# Altium PCB PCB1.PcbDoc (part 5 of 5) (continued)
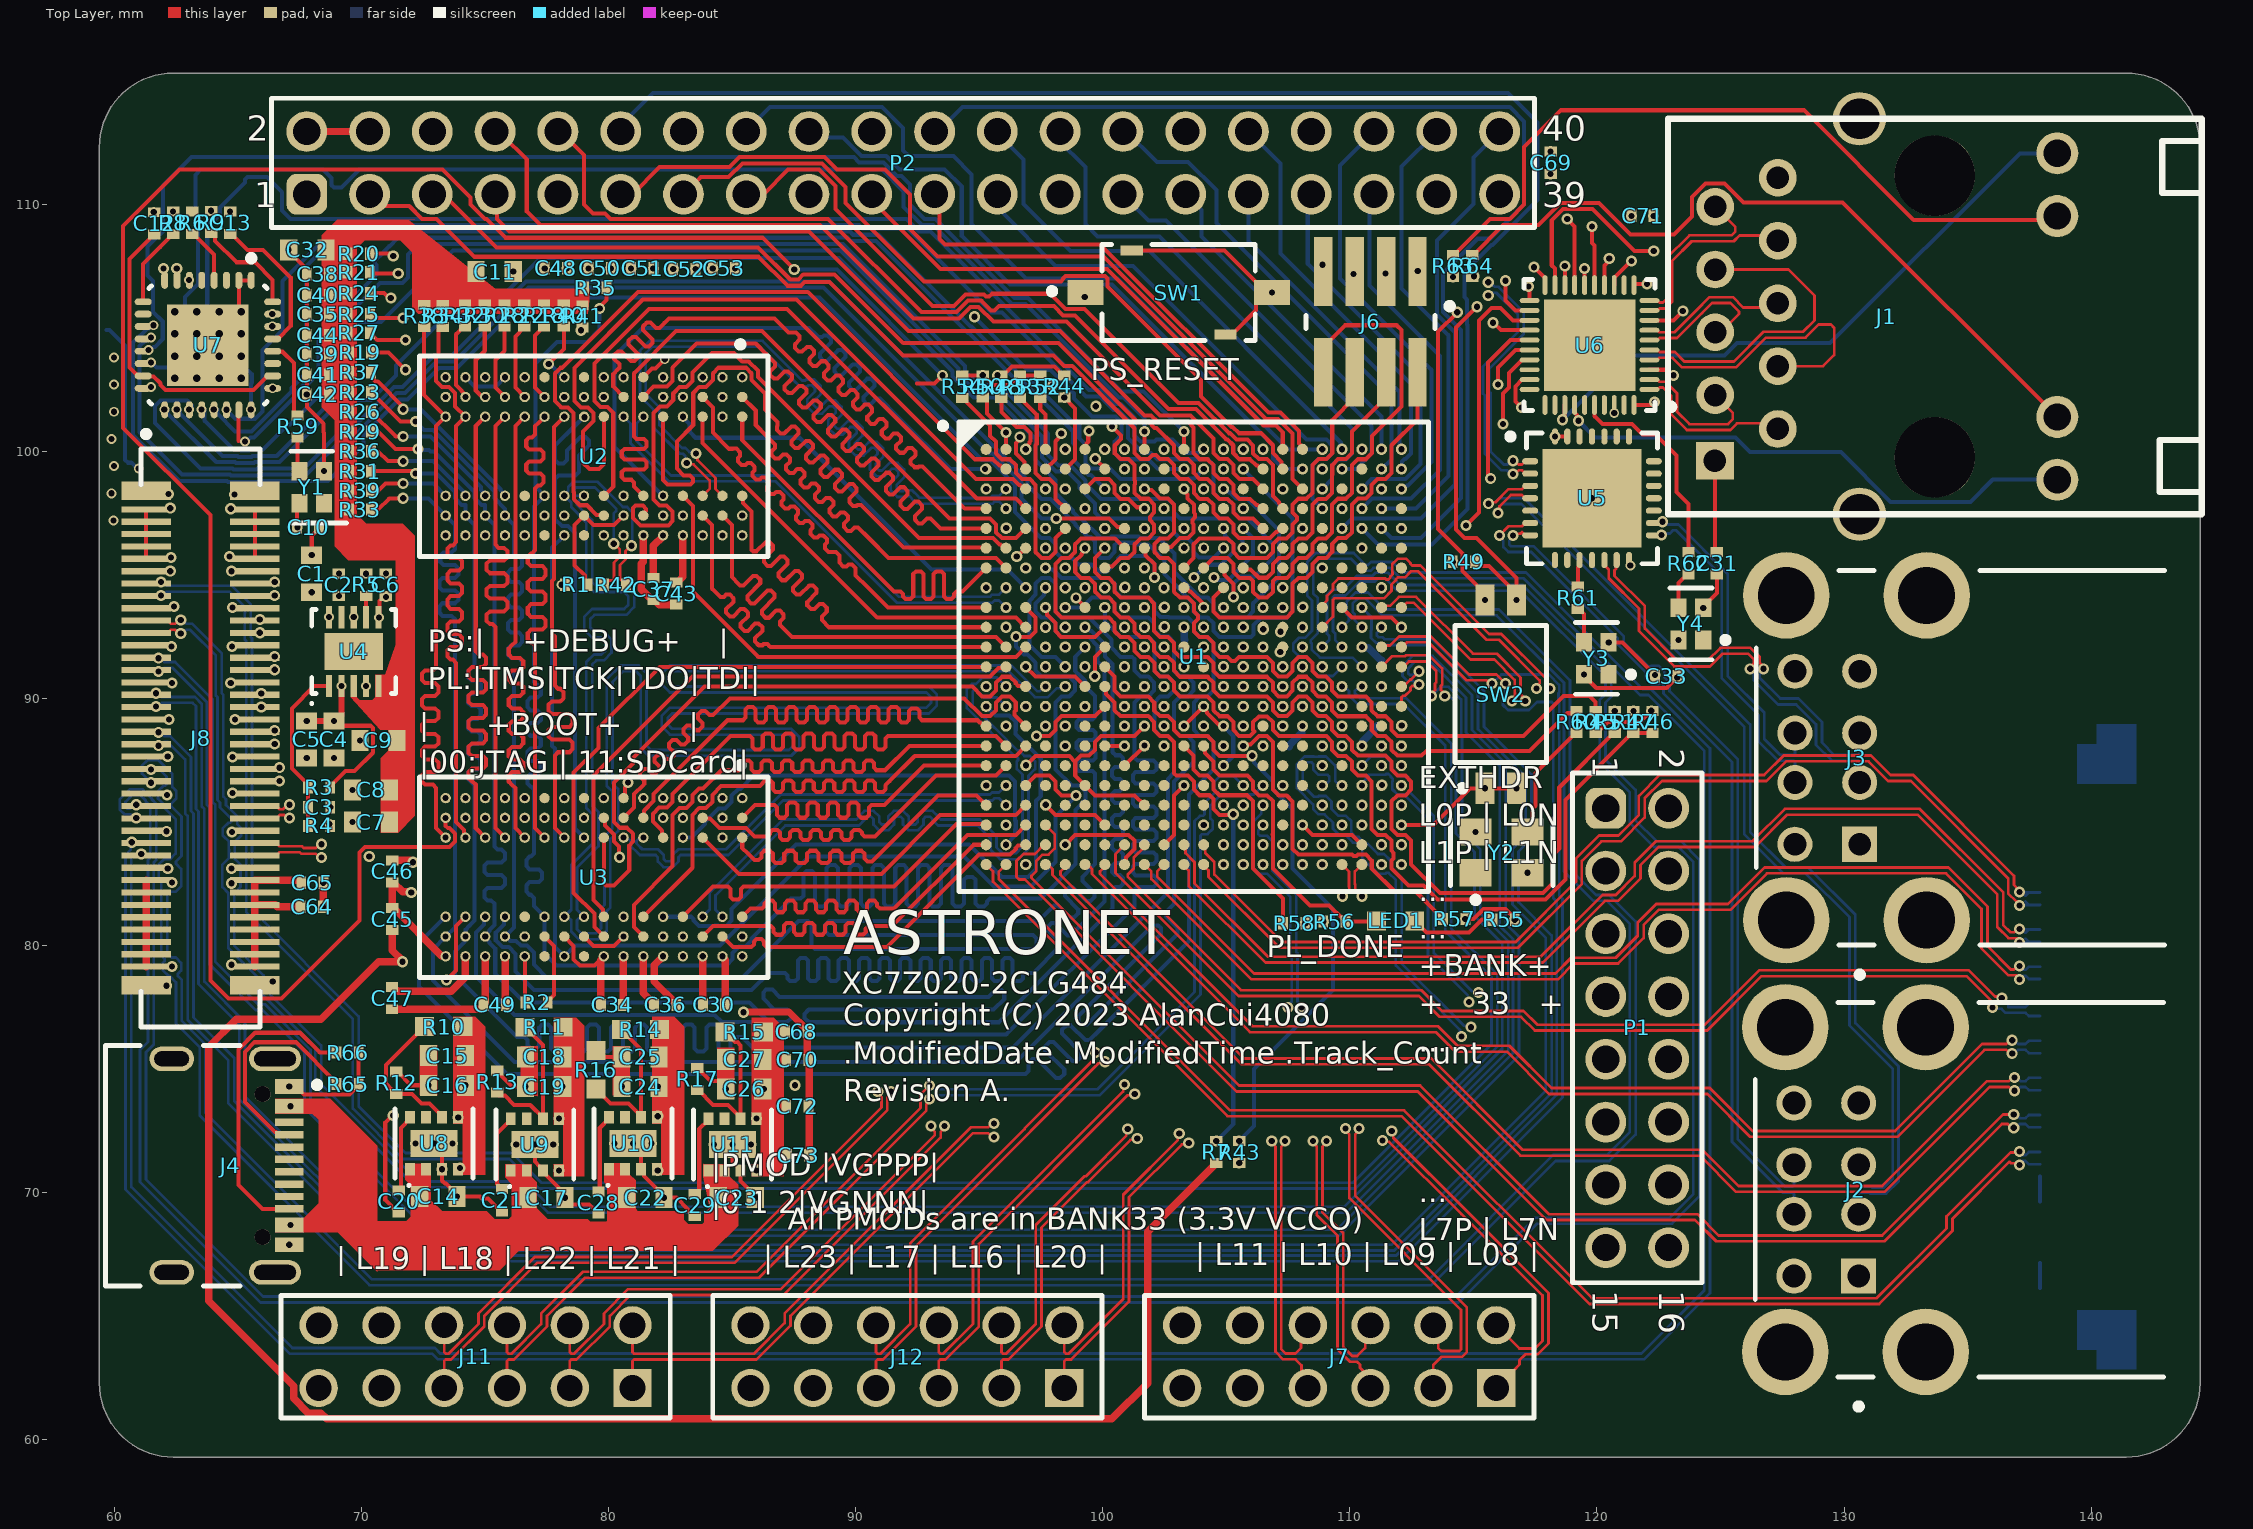
[diagram p0: Top Layer view]
## Nets (pads, with @x,y where several pads share a name; then routed paths per layer and width w, separated by ;. In a path a pad name is that pad's centre, name@x,y a point inside that pad or via, vN(x,y) a via of type N, cw(c..) or ccw(c..) an arc to the next point about the centre after c; other vN are vias at no path point) (continued)
USB_D0: U1.A12 U7.24 | length 55.7
  Bottom Layer w0.164: v2@65.535,101.695 65.535,102.738 65.572,102.775 65.572,103.125 65.269,103.428 64.975,103.428 64.728,103.675 64.728,103.969 64.369,104.328 64.075,104.328 63.828,104.575 63.828,104.869 63.661,105.036 63.661,105.364 63.772,105.475 63.772,109.266 63.868,109.362 64.073,109.362 64.291,109.58 64.291,109.873 65.3,110.883 65.3,111.003 65.396,111.099 66.187,111.099 66.803,110.483 66.803,109.745 67.145,109.403 88.533,109.403 ; 88.534,109.404 90.246,109.404 90.25,109.4 92.072,109.4 92.577,108.895 93.031,108.895 99.451,102.476 99.995,102.476 100.549,101.921 100.733,101.921 101.28,101.375 101.28,100.647 101.524,100.403 102.101,100.403 102.176,100.478 102.819,100.478 103.366,99.932 103.861,99.932 104.011,100.081 v1(104.088,100.081)
  other v2: 65.535,101.689
USB_D1: U1.C7 U7.23 | length 45.8
  Top Layer w0.164: 65.028,100.428 65.028,101.658 U7.23@65.05,101.68 ; v2(65.3,100.4) v2@65.328,100.428
  Bottom Layer w0.164: v2(65.3,100.4) 65.364,100.4 65.519,100.556 65.669,100.556 67.428,102.314 67.428,102.454 67.646,102.672 67.786,102.672 68.275,103.161 68.275,104.825 70.613,107.163 70.613,107.538 70.568,107.583 70.568,107.718 70.903,108.053 70.903,108.064 71.136,108.297 71.147,108.297 71.492,108.642 88.848,108.642 ; 88.849,108.642 89.669,108.642 89.803,108.508 90.833,108.508 94.549,104.792 94.594,104.792 96.594,102.792 96.819,102.792 98.799,100.812 98.799,100.331 98.885,100.246 98.885,99.595 99.43,99.049 99.52,99.049 v1(100.088,98.481)
USB_D2: U1.G13 U7.22 | length 59.5
  Top Layer w0.164: U1.G13@104.888,95.281 104.938,95.232 104.938,94.993 105.291,94.639 105.291,94.109 v1(105.3,94.1)
  Bottom Layer w0.164: v2(64.55,101.68) 64.913,101.317 65.713,101.317 66,101.604 66,104.1 66.81,104.91 66.81,106.881 69.078,109.149 88.638,109.149 ; 88.639,109.15 90.141,109.15 90.275,109.016 92.097,109.016 95.502,105.611 95.934,105.611 99.323,102.222 99.889,102.222 100.444,101.667 100.628,101.667 101.026,101.27 101.026,100.542 101.636,99.932 101.958,99.932 102.211,99.678 103.966,99.678 103.973,99.684 104.246,99.684 104.488,99.443 104.488,98.32 104.73,98.078 105.052,98.078 105.291,97.839 105.291,97.517 105.53,97.278 105.852,97.278 106.885,96.246 106.885,95.689 106.121,94.925 105.57,94.925 105.291,94.646 105.291,94.109 v1(105.3,94.1)
USB_D3: U1.B12 U7.21 | length 51.6
  Bottom Layer w0.164: v2(64.035,101.689) 64.178,101.689 64.178,101.526 64.895,100.809 65.564,100.809 67.174,102.419 67.174,102.559 67.775,103.16 67.775,107.475 69.195,108.895 88.743,108.895 ; 88.744,108.896 89.774,108.896 89.908,108.762 90.938,108.762 94.654,105.046 94.699,105.046 96.699,103.046 96.924,103.046 98.748,101.222 98.957,101.222 99.053,101.126 99.053,100.535 99.303,100.285 99.303,99.536 99.536,99.303 100.305,99.303 100.724,98.884 103.452,98.884 103.468,98.9 103.707,98.9 v1(104.088,99.281)
USB_D4: U1.F14 U7.20 | length 54.5
  Bottom Layer w0.164: v2@63.663,101.689 63.663,101.237 64.831,100.069 65.105,100.069 65.146,100.028 65.454,100.028 65.495,100.069 66.026,100.069 67.044,101.087 67.113,101.087 68.85,102.824 68.85,104.897 70.757,106.803 71.664,106.803 71.897,107.036 71.897,107.972 72.313,108.388 88.954,108.388 ; 88.954,108.388 89.491,108.388 94.43,103.45 94.43,103.234 94.986,102.678 95.314,102.678 95.826,102.678 97.793,100.712 97.793,99.856 98.218,99.43 98.69,99.43 99.311,98.81 99.311,98.697 99.93,98.078 102.652,98.078 102.891,97.839 102.891,97.517 103.13,97.278 105.052,97.278 105.291,97.039 105.291,96.717 105.524,96.484 105.561,96.484 105.657,96.388 105.657,96.112 v1(105.688,96.081)
  other v2: 63.535,101.689
USB_D5: U1.B14 U7.19 | length 67.5
  Bottom Layer w0.164: v2@63.163,101.689 63.163,101.861 62.963,102.061 61.881,102.061 61.663,101.843 61.663,101.137 63.492,99.308 64.789,99.308 64.831,99.267 65.769,99.267 65.811,99.308 67.685,99.308 69.334,100.956 69.677,100.956 71.325,102.605 71.666,102.605 72.941,103.88 73.675,103.88 76.673,106.878 88.935,106.878 96.968,98.846 96.968,98.64 97.53,98.078 97.883,98.078 98.903,97.058 98.903,97.027 99.406,96.525 99.524,96.525 99.691,96.358 99.691,95.917 99.923,95.685 100.252,95.685 100.484,95.917 100.484,96.204 100.58,96.3 101.349,96.3 101.418,96.23 101.858,96.23 102.5,95.588 102.5,95.031 103.685,93.846 103.685,93.523 103.93,93.278 104.252,93.278 104.485,93.046 104.485,92.723 104.724,92.484 105.852,92.484 105.856,92.488 106.005,92.488 106.103,92.585 106.103,92.964 106.404,93.266 107.44,93.266 107.685,93.51 107.685,97.284 v1(105.688,99.281)
  other v2: 63.035,101.689
USB_D6: U1.F13 U7.18 | length 54.8
  Bottom Layer w0.164: v2(62.535,101.689) 62.535,101.663 62.663,101.535 ; v2@62.663,101.689 62.663,101.535 ; 89.059,108.134 73.715,108.134 70.807,105.225 69.8,105.225 69.361,104.786 69.361,102.593 66.584,99.815 65.6,99.815 65.559,99.774 65.041,99.774 65,99.815 64.382,99.815 62.663,101.535 ; 89.059,108.135 89.386,108.135 94.176,103.345 94.176,103.129 94.881,102.424 95.48,102.424 95.721,102.424 97.539,100.607 97.539,99.751 98.113,99.177 98.585,99.177 99.057,98.705 99.057,98.51 99.685,97.882 99.685,97.523 99.924,97.284 102.765,97.284 102.891,97.158 102.891,96.717 103.136,96.472 103.454,96.472 103.672,96.254 103.672,95.936 103.908,95.7 104.507,95.7 v1(104.888,96.081)
USB_D7: U1.C13 U7.17 | length 63
  Bottom Layer w0.164: v2@62.163,101.689 62.163,101.535 64.136,99.562 64.894,99.562 64.936,99.52 65.664,99.52 65.706,99.562 66.689,99.562 69.2,102.072 70.405,102.072 71.403,103.07 71.403,103.464 73.383,105.445 74.881,105.445 77.258,107.822 89.339,107.822 93.922,103.239 93.922,103.024 94.775,102.17 95.616,102.17 97.285,100.501 97.285,99.646 98.091,98.84 98.091,98.317 98.803,97.605 98.803,97.536 99.054,97.284 99.124,97.284 99.924,96.484 100.289,96.484 100.358,96.554 101.454,96.554 101.524,96.484 102.275,96.484 102.9,95.859 102.9,95.108 103.93,94.078 104.252,94.078 104.485,93.846 104.485,93.523 104.724,93.284 105.852,93.284 106.091,93.523 106.091,93.852 107.139,94.9 107.139,96.792 105.846,98.084 105.405,98.084 105.158,98.332 105.115,98.332 104.965,98.481 v1(104.888,98.481)
  other v2: 62.035,101.689
USB_DIR: U1.E8 U7.12 | length 52.3
  Top Layer w0.164: v1(98.122,97.278) 100.252,97.278 100.595,96.936 100.833,96.936 U1.E8@100.888,96.881
  Bottom Layer w0.164: v2(61.5,104.6) 61.436,104.6 61.308,104.472 61.246,104.472 61.028,104.254 61.028,100.772 62.746,99.054 64.684,99.054 64.725,99.013 65.875,99.013 65.916,99.054 67.791,99.054 69.439,100.702 69.782,100.702 71.43,102.351 71.771,102.351 73.046,103.626 73.78,103.626 76.779,106.624 88.701,106.624 95.42,99.905 95.549,99.905 96.714,98.74 96.714,98.086 97.522,97.278 v1(98.122,97.278)
USB_EXT_D0_N: J2.2 U5.3 | length 40.6
  Top Layer w0.11: v1(115.618,97.882) 115.677,97.94 115.891,97.94 116.419,98.468 116.966,98.468 117.097,98.6 U5.3@117.3,98.6
  Bottom Layer w0.11: v1(115.618,97.882) 115.677,97.94 115.891,97.94 116.056,98.105 117.037,98.105 126.2,88.943 126.2,84.6 127.638,83.162 128.543,83.162 130.455,81.249 130.455,76.865 132.2,75.12 132.2,70.465 131.704,69.969 131.05,69.969 131.007,70.012 130.654,70.012 130.59,69.947 J2.2@130.59,69.13
USB_EXT_D0_P: J2.3 U5.4 | length 39.4
  Top Layer w0.11: v1(116,97.5) 116.059,97.559 116.059,97.773 116.517,98.232 116.966,98.232 117.097,98.1 U5.4@117.3,98.1
  Bottom Layer w0.11: v1(116,97.5) 116.059,97.559 116.059,97.773 116.154,97.869 116.939,97.869 125.963,88.845 125.963,84.502 127.54,82.925 128.445,82.925 130.218,81.151 130.218,76.767 131.963,75.022 131.963,70.563 131.605,70.205 131.148,70.205 131.105,70.248 130.654,70.248 130.59,70.313 J2.3@130.59,71.13
USB_EXT_D1_N: J2.2' U5.6 | length 34.9
  Top Layer w0.11: v1(116.06,96.6) 116.428,96.968 116.966,96.968 117.097,97.1 U5.6@117.3,97.1
  Bottom Layer w0.11: v1(116.06,96.6) 116.06,96.517 116.212,96.366 116.212,96.131 116.415,95.928 117.341,95.928 120.845,92.424 120.845,92.188 121.98,91.053 121.98,90.797 122.197,90.58 122.503,90.58 122.54,90.616 122.63,90.616 122.695,90.552 122.695,90.199 125.463,87.43 125.463,72.065 127.517,70.012 127.906,70.012 127.97,69.947 J2.2'@127.97,69.13
USB_EXT_D1_P: J2.3' U5.7 | length 33.9
  Top Layer w0.11: v1(116.6,96.598) 116.664,96.663 v1@116.664,96.732 ; v1@116.665,96.664 116.898,96.664 116.966,96.732 117.097,96.6 U5.7@117.3,96.6
  Bottom Layer w0.11: v1(116.6,96.598) 116.6,96.516 116.448,96.364 116.448,96.229 116.513,96.164 117.439,96.164 121.082,92.522 121.082,92.286 122.077,91.291 122.168,91.291 122.197,91.32 122.503,91.32 122.72,91.103 122.72,90.862 122.931,90.65 122.931,90.297 125.7,87.528 125.7,72.163 127.615,70.248 127.906,70.248 127.97,70.313 J2.3'@127.97,71.13
USB_EXT_D2_N: J3.2 U5.12 | length 16.9
  Top Layer w0.11: U5.12@120.3,95.6 120.3,95.397 120.477,95.22 120.477,94.865 121.7,93.642 121.7,92.726 123.131,91.295 124.573,91.295 125.091,91.813 126.108,91.813 126.352,91.57 126.352,91.434 126.2,91.283 v1(126.2,91.2)
  Bottom Layer w0.11: v1(126.2,91.2) 126.2,91.117 126.352,90.966 126.352,90.731 127.324,89.759 128.06,89.759 128.865,88.954 128.865,88.119 129.502,87.482 130.233,87.482 130.566,87.482 130.63,87.417 J3.2@130.63,86.6
USB_EXT_D2_P: J3.3 U5.13 | length 16.5
  Top Layer w0.11: U5.13@120.8,95.6 120.773,95.573 120.773,95.242 120.714,95.182 120.714,94.963 121.937,93.74 121.937,92.824 123.229,91.532 124.474,91.532 124.993,92.05 126.206,92.05 126.588,91.668 126.588,91.434 126.74,91.283 v1(126.74,91.2)
  Bottom Layer w0.11: v1(126.74,91.2) 126.74,91.117 126.588,90.966 126.588,90.829 127.422,89.995 128.158,89.995 129.102,89.052 129.102,88.217 129.6,87.718 130.135,87.718 130.566,87.718 130.63,87.783 J3.3@130.63,88.6
USB_EXT_D3_N: J3.2' U5.15 | length 13.5
  Top Layer w0.11: U5.15@122.3,96.6 122.311,96.611 v1(122.612,96.611)
  Bottom Layer w0.11: v1(122.612,96.611) 122.677,96.676 122.957,96.676 123.085,96.805 123.195,96.805 125.052,94.948 125.052,90.814 126.533,89.333 126.533,88.267 127.318,87.482 127.946,87.482 128.01,87.417 J3.2'@128.01,86.6
USB_EXT_D3_P: J3.3' U5.16 | length 13.5
  Top Layer w0.11: U5.16@122.3,97.1 122.35,97.15 v1(122.65,97.15)
  Bottom Layer w0.11: v1(122.65,97.15) 122.742,97.15 122.85,97.042 123.293,97.042 125.288,95.046 125.288,90.912 126.769,89.431 126.769,88.365 127.416,87.718 127.946,87.718 128.01,87.783 J3.3'@128.01,88.6
USB_NXT: U1.F9 U7.11 | length 58.1
  Top Layer w0.164: U1.F9@101.688,96.081 101.743,96.026 101.743,95.788 102.091,95.439 102.091,94.909 v1(102.1,94.9)
  Bottom Layer w0.164: v2(61.6,105.1) 61.536,105.1 61.408,104.972 61.346,104.972 60.774,104.4 60.774,100.667 62.641,98.8 64.579,98.8 64.62,98.759 65.98,98.759 66.021,98.8 68.659,98.8 70.1,100.241 70.1,100.661 71.536,102.097 71.876,102.097 73.151,103.372 73.885,103.372 76.738,106.225 88.55,106.225 95.124,99.651 95.444,99.651 96.46,98.635 96.46,97.54 97.516,96.484 97.846,96.484 98.085,96.246 98.085,95.923 98.33,95.678 98.771,95.678 99.025,95.424 99.551,95.424 99.843,95.132 100.175,95.132 100.629,95.587 100.629,95.671 100.729,95.771 101.758,95.771 102.1,95.429 v1(102.1,94.9) v1@102.084,94.884
USB_STP: U1.A11 U7.13 | length 55
  Top Layer w0.164: U1.A11@103.288,100.081 v1(103.288,100.8)
  Bottom Layer w0.164: v2(61.4,104.1) 61.464,104.1 61.592,104.228 61.654,104.228 61.972,104.546 61.972,105.254 61.581,105.645 61.581,106.898 61.363,107.116 61.363,108.287 61.975,108.899 61.975,109.523 61.982,109.53 61.982,109.838 61.975,109.845 61.975,110.745 63.13,111.9 89.931,111.9 90.142,111.689 91.14,111.689 91.683,111.146 91.854,111.146 92.203,110.797 92.203,109.987 92.787,109.403 93.242,109.403 96.437,106.208 96.98,106.208 100.759,102.429 101.659,102.429 v1(103.288,100.8)
USB_ULPI_N: U5.1 U7.8 | length 66.1
  Top Layer w0.11: v1(62,107.4) 62.025,107.375 62.025,106.945 U7.8@62.05,106.92 ; v1(116.6,99.62) 116.683,99.62 116.834,99.468 116.966,99.468 117.097,99.6 U5.1@117.3,99.6
  Layer 4 w0.11: v1(62,107.4) 62,107.483 62.152,107.634 62.152,107.868 63.168,108.885 113.198,108.885 114.707,107.377 114.798,107.377 114.876,107.455 115.183,107.455 115.4,107.238 115.4,107.132 115.6,106.932 v1(115.6,106.84)
  Bottom Layer w0.11: v1(115.6,106.84) 115.683,106.84 115.869,106.654 116.023,106.654 117.037,105.64 117.037,104.737 115.63,103.33 115.63,102.43 115.7,102.36 115.7,99.997 116.229,99.468 116.366,99.468 116.517,99.62 v1(116.6,99.62)
USB_ULPI_P: U5.2 U7.7 | length 65.7
  Top Layer w0.11: v1(62.54,107.4) 62.545,107.395 62.545,107.148 62.55,107.143 U7.7@62.55,106.92 ; v1(116.6,99.08) 116.683,99.08 116.834,99.232 116.966,99.232 117.097,99.1 U5.2@117.3,99.1
  Layer 4 w0.11: v1(62.54,107.4) 62.54,107.483 62.389,107.634 62.389,107.77 63.267,108.648 113.1,108.648 114.66,107.089 114.66,106.932 114.943,106.648 115.252,106.648 v1(115.6,106.3)
  Bottom Layer w0.11: v1(115.6,106.3) 115.692,106.3 115.809,106.417 115.925,106.417 116.8,105.542 116.8,104.835 115.393,103.428 115.393,102.332 115.463,102.262 115.463,99.899 116.131,99.232 116.366,99.232 116.517,99.08 v1(116.6,99.08)
USB_VBUS: R6.2
VBUS: C14.2 C17.2 C22.2 C23.2 J4.A4-B9 J4.B4-A9 P2.2 P2.4 U8.1 U8.2 U9.1 U9.2 U10.1 U10.2 U11.1 U11.2 | length 2.5
  Top Layer w0.3: P2.2@67.8,112.94 P2.4@70.34,112.94
  other v1: 67.14,68.7 67.14,73.5
VMEM: C4.2 C5.2 C24.2 C25.2 C30.2 C34.2 C36.2 C37.2 C43.2 C45.2 C46.2 C47.2 C48.2 C49.2 C50.2 C51.2 C52.2 C53.2 R3.1 R7.2 R14.1 U1.E2 U1.F5 U1.H1 U1.J4 U1.K7 U1.M3 U1.N6 U1.R2 U1.V1 U2.A1 U2.A8 U2.B2 U2.C1 U2.C9 U2.D2 U2.D9 U2.E9 U2.F1 U2.G7 U2.H2 U2.H9 U2.K2 U2.K8 U2.N1 U2.N9 U2.R1 U2.R9 U3.A1 U3.A8 U3.B2 U3.C1 U3.C9 U3.D2 U3.D9 U3.E9 U3.F1 U3.G7 U3.H2 U3.H9 U3.K2 U3.K8 U3.N1 U3.N9 U3.R1 U3.R9 U4.2 U10.4 U10.5 | length 110.6
  Top Layer w0.164: R3.1@68.75,86.4 68.75,86.45 69.369,87.069 69.737,87.069 70.472,87.804 70.472,88.796 70.371,88.897 69.094,88.897 v2(68.9,89.091) ; U3.K8@78.218,80.369 78.6,79.987 78.6,79.447 78.86,79.187 79.436,79.187 v2(79.818,79.569) ; U3.H2@79.818,85.169 79.867,85.12 79.867,84.86 80.236,84.491 80.236,84.211 80.434,84.013 80.434,83.591 v1(80.45,83.575) ; U2.F1@81.418,103 81.766,103.348 81.906,103.348 v2(82.282,103.724) ; v1(96.888,91.281) 97.288,90.881 98.888,90.881 U1.N6@99.288,90.481 ; v1(97.688,93.681) 97.743,93.626 97.743,93.388 98.085,93.046 98.085,92.723 98.324,92.484 99.691,92.484 U1.K7@100.088,92.881
  Top Layer w0.254: v2(67.796,89.091) v2(68.9,89.091) 68.975,89.091 69.2,89.316 v2(69.2,90.5)
  Top Layer w0.3: C47.2@71.25,78.325 71.3,78.325 71.478,78.147 73.639,78.147 74.218,78.726 v2(74.218,79.569) ; C45.2@71.258,80.625 71.258,79.803 71.675,79.386 v1(71.675,79.35) 70.7,79.35 68.375,77.025 64.95,77.025 63.825,75.9 63.825,65.625 67.266,62.184 67.266,61.68 67.86,61.086 68.364,61.086 68.6,60.85 100.375,60.85 101.825,62.3 101.825,68.425 104.5,71.1 104.5,71.15 104.55,71.2 R7.2@104.6,71.2 ; C46.2@71.259,83.45 71.984,83.45 72.059,83.375 v1(72.1,83.375) ; v2(75.818,79.569) 75.834,79.553 75.834,77.626 C49.2@75.85,77.61 ; C34.2@79.7,77.6 79.7,79.419 79.818,79.537 v2(79.818,79.569) ; C37.2@81.825,94.875 81.825,96.175 82.218,96.568 v2(82.218,96.6) ; v2(82.218,79.569) 81.85,79.201 81.85,78.55 82.75,77.65 C36.2@82.75,77.6 ; C43.2@82.75,94.696 82.8,94.696 83.018,94.914 v2(83.018,96.6) ; v2(83.818,79.569) 83.821,79.565 83.821,77.614 C30.2@83.825,77.61
  Bottom Layer w0.164: v2(74.218,103) 74.59,102.628 75.446,102.628 v2(75.818,103)
  other v1: 82,70.9 82,73.1 82,74.3 95.288,86.481 96.088,88.881 95.288,94.481 98.488,96.081 96.1,96.9 83.525,107.375 78.325,107.4 80.1,107.4 81.821,107.4 85.125,107.4
  other v2: 83.018,79.569 85.418,80.369 80.618,81.169 78.218,85.169 83.018,85.169 84.618,85.169 74.218,85.969 75.818,85.969 81.418,85.969 83.818,85.969 85.418,85.969 74.218,96.6 75.818,96.6 79.818,96.6 83.818,96.6 78.218,97.4 85.418,97.4 80.618,98.2 78.218,102.2 79.818,102.2 83.018,102.2 84.618,102.2 83.818,103 85.418,103
VREFDDR: C6.1 U1.H7 U1.P7 U2.H1 U2.M8 U3.H1 U3.M8 U4.6 | length 108
  Top Layer w0.164: U4.6@70.7,93.29 70.743,93.333 70.743,93.943 70.9,94.1 v2(71,94.1) ; v1(97.325,88.481) 97.849,88.481 98.091,88.723 98.091,89.046 98.33,89.284 99.691,89.284 U1.P7@100.088,89.681
  Layer 4 w0.3: v1(70.325,83.6) 70.325,79.75 73.325,76.75 85.15,76.75 v1(87.55,74.35)
  SIG_PWR w0.2: 76.375,86.5 76.228,86.353 76.228,83.472 76.618,83.082 v2(76.618,80.369) ; 76.55,86.675 77.646,85.579 78.51,85.579 78.9,85.969 v2(79.818,85.969)
  SIG_PWR w0.25: 76.375,86.5 76.55,86.675 77.033,87.158 77.033,96.985 v2(76.618,97.4)
  SIG_PWR w0.3: v1(70.325,83.6) 70.35,83.625 70.35,86.763 68.46,88.653 68.46,91.428 70.14,93.108 70.14,93.312 70.543,93.715 70.588,93.715 70.973,94.1 v2(71,94.1) 71.45,94.55 72.075,94.55 72.35,94.825 72.35,98.1 73.375,99.125 76.149,99.125 76.618,98.656 ; v2(76.618,97.4) 76.618,98.656 ; v2(79.818,103) 80.258,102.56 80.258,101.908 77.006,98.656 76.618,98.656 ; v1(87.55,74.35) 87.55,75.85 95.499,83.799 95.748,83.799 95.906,83.641 96.27,83.641 96.553,83.924 96.553,86.639 96.378,86.813 96.378,88.053 96.554,88.229 96.724,88.229 96.974,88.478 97.322,88.478 v1(97.325,88.481) 98.19,87.616 98.681,87.616 100.146,89.082 100.146,92.681 99.623,93.204 99.623,94.016 v1(100.088,94.481)
  other v2: 70.725,93.275
VTT: C7.1 C8.1 C9.1 C11.2 C32.2 C35.2 C38.2 C39.2 C40.2 C41.2 C42.2 C44.2 R18.1 R19.1 R20.1 R21.1 R22.1 R23.1 R24.1 R25.1 R26.1 R27.1 R28.1 R29.1 R30.1 R31.1 R32.1 R33.1 R34.1 R35.1 R36.1 R37.1 R38.1 R39.1 R40.1 R41.1 U4.3 U4.5
pads on no net: J1. J1.SHIELD0 J1.SHIELD1 J2.1 J2.1' J2.4 J3.1 J3.1' J3.4 J4. J4.1 J4.2 J4.3 J4.4 J4.A6 J4.A7 J4.A8 J4.B6 J4.B7 J4.B8 J5.1 J5.2 J5.3 J5.10 J5.13 J5.16 J5.19 J5.22 J5.25 J5.28 J5.34 J5.37 J5.MP1 J5.MP2 P2.37 SD1.9 SD1.10 SD1.11 SD1.12 SD1.13 SD1.14 U1.A1 U1.AA6 U1.AA7 U1.B6 U1.B10 U1.B20 U1.C10 U1.C14 U1.C19 U1.D11 U1.D12 U1.D13 U1.D17 U1.D22 U1.E6 U1.E18 U1.F16 U1.F17 U1.F18 U1.F19 U1.F21 U1.F22 U1.G6 U1.G10 U1.G15 U1.G16 U1.G17 U1.G19 U1.G20 U1.G21 U1.G22 U1.H15 U1.H17 U1.H18 U1.H19 U1.H20 U1.H22 U1.L11 U1.M12 U1.R6 U1.R7 U1.R15 U1.T4 U1.T6 U1.U4 U1.U5 U1.U6 U1.U7 U1.U9 U1.U10 U1.U11 U1.U12 U1.U14 U1.U19 U1.V4 U1.V5 U1.V7 U1.V8 U1.V9 U1.V10 U1.V12 U1.W5 U1.W6 U1.W7 U1.W8 U1.W10 U1.W11 U1.W12 U1.Y5 U1.Y6 U1.Y8 U1.Y9 U1.Y10 U1.Y11 U2.J1 U2.J9 U2.L1 U2.L9 U2.M7 U3.J1 U3.J9 U3.L1 U3.L9 U3.M7 U4.9 U4.11 U5.5 U5.8 U5.9 U5.11 U5.17 U5.18 U5.19 U5.20 U5.21 U5.22 U5.23 U5.24 U5.25 U5.26 U6.12 U6.28 U6.30 U6.31 U6.32 U6.35 U6.37 U6.39 U6.41 U7.3 U7.5 U7.10 U7.27 U8.7 U9.7 U10.7 U11.7 Y1.1 Y2.1 Y3.1 Y4.1

## Polygon pours and split planes (outlines as drawn)
+3V3 on SIG_PWR "+3V3_L03_P006" (solid, pour order 6): 71.1,92.1 70.3,91.3 68.7,91.3 68.2,90.8 68.2,89.2 69.1,88.3 71.1,88.3 71.1,78.9 59.4,78.9 59.4,112.6 59.6,112.6 62.5,115.5 62.8,115.2 142.4,115.2 144.3,113.3 144.3,61.3 143.9,61.3 141.7,59.1 62,59.1 59.3,61.8 59.3,78.9 70.9,78.9 71.1,79.1 72.9,77.3 79.8,77.3 79.8,71 80.2,70.6 84.2,70.6 84.7,70.1 84.85,70.25 88.6,70.25 88.6,70.3 106.2,87.9 106.2,93.832 105.832,94.2 105.7,94.2 103.7,96.2 100,96.2 88.025,108.175 75.175,108.175 71.1,104.1
+1V0 on SIG_PWR "+1V0_L03_P002" (solid, pour order 2): 85.1,70.2 88.6,70.2 88.6,70.3 106.2,87.9 106.2,93.9 104.5,95.6 100.5,95.6 100.5,94.093 100,93.593 100,87.7 86.7,74.4 85.1,74.4
VMEM on SIG_PWR "VMEM_L03_P005" (solid, pour order 5): 71.1,91.2 69,91.2 68.4,90.6 68.4,89.4 69.3,88.5 71.1,88.5 71.1,79.1 72.9,77.3 79.8,77.3 79.8,71 80.2,70.6 81,70.5 84.8,70.5 85.1,70.2 85.1,74.4 86.7,74.4 100,87.7 100,96.2 87.9,108.3 75.3,108.3 71.1,104.1
+1V8 on SIG_PWR "+1V8_L03_P000" (solid, pour order 0): 64.3,79.6 64.35,79.55 64.35,78.125 69.45,78.125 71.825,75.75 74.65,75.75 77.75,72.65 78.6,72.65 78.6,75.15 76.95,76.8 72.325,76.8 66.4,82.725 62.083,82.725
GND on GND (split plane): 141.624,114.789 141.839,114.76 142.051,114.713 142.259,114.648 142.459,114.565 142.652,114.464 142.836,114.348 143.008,114.215 143.168,114.068 143.315,113.908 143.448,113.736 143.564,113.552 143.665,113.359 143.748,113.159 143.813,112.951 143.86,112.739 143.889,112.524 143.897,112.322 143.896,112.306 143.896,62.306 143.897,62.29 143.889,62.089 143.86,61.874 143.813,61.661 143.748,61.454 143.665,61.253 143.564,61.06 143.448,60.877 143.315,60.705 143.168,60.544 143.008,60.397 142.836,60.265 142.652,60.148 142.459,60.048 142.259,59.965 142.051,59.899 141.839,59.852 141.624,59.824 141.422,59.815 141.406,59.817 62.406,59.817 62.39,59.815 62.189,59.824 61.974,59.852 61.761,59.899 61.554,59.965 61.353,60.048 61.16,60.148 60.977,60.265 60.805,60.397 60.644,60.544 60.497,60.705 60.365,60.877 60.248,61.06 60.148,61.253 60.065,61.454 59.999,61.661 59.952,61.874 59.924,62.089 59.915,62.29 59.917,62.306 59.917,112.306 59.915,112.322 59.924,112.524 59.952,112.739 59.999,112.951 60.065,113.159 60.148,113.359 60.248,113.552 60.365,113.736 60.497,113.908 60.644,114.068 60.805,114.215 60.977,114.348 61.16,114.464 61.353,114.565 61.554,114.648 61.761,114.713 61.974,114.76 62.189,114.789 62.39,114.797 62.406,114.796 141.406,114.796 141.422,114.797
VBUS on GND (split plane): 70.947,113.736 71.485,112.715 71.485,110.71 70.948,109.739 69.579,108.371 69.565,108.35 69.56,108.325 69.56,68.29 65.077,68.29 64.89,68.477 64.89,79.123 66.046,80.279 66.06,80.3 66.065,80.325 66.065,113.935 70.748,113.935
+3V3 on GND (split plane): 105.96,87.648 105.96,85.427 105.848,85.315 104.627,85.315 104.265,85.677 104.265,86.775 104.26,86.8 104.246,86.821 103.596,87.471 103.575,87.485 103.55,87.49 100.652,87.49 100.19,87.952 100.19,88.073 100.577,88.46 102.925,88.46 102.95,88.465 102.971,88.479 103.677,89.185 104.423,89.185
GND on PWR (split plane): 141.624,114.789 141.839,114.76 142.051,114.713 142.259,114.648 142.459,114.565 142.652,114.464 142.836,114.348 143.008,114.215 143.168,114.068 143.315,113.908 143.448,113.736 143.564,113.552 143.665,113.359 143.748,113.159 143.813,112.951 143.86,112.739 143.889,112.524 143.897,112.322 143.896,112.306 143.896,62.306 143.897,62.29 143.889,62.089 143.86,61.874 143.813,61.661 143.748,61.454 143.665,61.253 143.564,61.06 143.448,60.877 143.315,60.705 143.168,60.544 143.008,60.397 142.836,60.265 142.652,60.148 142.459,60.048 142.259,59.965 142.051,59.899 141.839,59.852 141.624,59.824 141.422,59.815 141.406,59.817 62.406,59.817 62.39,59.815 62.189,59.824 61.974,59.852 61.761,59.899 61.554,59.965 61.353,60.048 61.16,60.148 60.977,60.265 60.805,60.397 60.644,60.544 60.497,60.705 60.365,60.877 60.248,61.06 60.148,61.253 60.065,61.454 59.999,61.661 59.952,61.874 59.924,62.089 59.915,62.29 59.917,62.306 59.917,112.306 59.915,112.322 59.924,112.524 59.952,112.739 59.999,112.951 60.065,113.159 60.148,113.359 60.248,113.552 60.365,113.736 60.497,113.908 60.644,114.068 60.805,114.215 60.977,114.348 61.16,114.464 61.353,114.565 61.554,114.648 61.761,114.713 61.974,114.76 62.189,114.789 62.39,114.797 62.406,114.796 141.406,114.796 141.422,114.797
VMEM on PWR (split plane): 76.56,85.565 73.79,85.565 73.79,86.51 76.56,86.51
+1V8 on PWR (split plane): 112.635,92.073 112.635,88.727 112.035,88.127 110.654,86.746 110.64,86.725 110.635,86.7 110.635,75.727 105.073,70.165 77.627,70.165 77.065,70.727 77.065,73.944 77.554,73.454 77.575,73.44 77.6,73.435 100.9,73.435 100.925,73.44 100.946,73.454 104.746,77.254 104.76,77.275 104.765,77.3 104.765,84.4 104.76,84.425 104.746,84.446 102.446,86.746 102.425,86.76 102.4,86.765 98.6,86.765 98.575,86.76 98.554,86.746 98.54,86.725 98.535,86.7 98.535,83.627 97.473,82.565 96.427,82.565 95.765,83.227 95.765,86.273 98.127,88.635 100.707,88.635 100.732,88.64 100.753,88.654 100.934,88.835 100.948,88.856 100.953,88.881 100.953,95.173 101.49,95.71 108.998,95.71
VMEM on PWR (split plane): 79.36,103.323 79.36,101.815 74.002,101.815 73.89,101.927 73.89,103.46 79.223,103.46

## Other copper
Top Layer:
  region net VBUS: 66.525,68.4 69.05,68.4 70.65,66.8 70.65,71.9 68.75,73.8 66.525,73.8 66.525,73.2 68.025,73.2 68.275,72.95 68.275,69.575 68.075,69.375 67.675,68.975 66.525,68.975
  region net VBUS: 83.85,71.175 83.85,70.65 84.1,69.4 83.875,69.175 83.875,68.8 83.8,68.725 83.225,68.725 83.05,68.9 83.05,69.25 81.2,69.25 81.1,69.35 81.1,70.5 80.875,70.725 80.875,71.2 79.825,71.2 79.825,70.425 79.95,70.3 79.95,68.875 79.9,68.825 79.275,68.825 79.175,68.925 77.55,68.925 77.1,69.375 77.1,70.425 76.875,70.65 76.9,70.675 76.9,71.15 75.825,71.15 75.825,70.625 76.1,70.35 76.1,69.05 75.975,68.925 75.4,68.925 75.075,69.25 73.275,69.25 72.825,69.7 72.825,71.175 71.8,71.175 71.775,71.2 71.775,70.525 72.025,70.275 72,70.25 72,69.025 71.825,68.85 70.85,68.85 70.65,68.85 70.65,66.875 75.6,66.875 76.375,67.65 84.225,67.65 85.25,68.675 85.25,70.325 84.9,70.675 84.9,71.15
  region net +1V0: 85.8,72.75 86.2,72.75 86.175,72.725 86.175,71.15 85.775,71.15 85.8,71.125 85.8,70.675 87.1,70.675 87.1,76.675 86.7,77.075 85.8,77.075
  region net GND: 84.4,75.863 84.4,73.863 85.075,73.863 85.1,73.838 85.1,75.863
  region net VMEM: 81.775,72.8 82.175,72.8 82.15,72.775 82.15,71.2 81.75,71.2 81.775,71.175 81.775,70.725 83.075,70.725 83.075,76.725 82.675,77.125 81.775,77.125
  region net GND: 80.175,75.937 80.175,73.938 80.85,73.938 80.875,73.912 80.875,75.937
  region net +1V8: 77.8,72.75 78.2,72.75 78.175,72.725 78.175,71.15 77.775,71.15 77.8,71.125 77.8,70.675 79.025,70.675 79.025,76.75 78.7,77.075 77.8,77.075
  region net GND: 76.45,75.925 76.45,73.925 77.125,73.925 77.15,73.9 77.15,75.925
  region net GND: 72.375,75.975 72.375,73.975 73.05,73.975 73.075,73.95 73.075,75.975
  region net +3V3: 73.725,72.8 74.125,72.8 74.1,72.775 74.1,71.2 73.7,71.2 73.725,71.175 73.725,70.725 75.025,70.725 75.025,76.725 74.625,77.125 73.725,77.125
  region net VTT: 69.575,90.05 70.775,88.725 71.1,88.725 71.1,87.875 70.8,87.575 70.8,84.575 71.5,84.575 72.175,85.25 72.175,96.575 71.675,97.075 70.2,97.075 69.825,97.45 69.825,108.225 70.15,108.55 71.575,108.55 72.075,108.05 72.075,105.8 72.3,105.575 79.175,105.575 79.229,106.104 79.229,106.575 75.425,106.575 71.9,109.375 72.175,109.375 69.025,109.375 68.4,108.75 68.4,101.775 68.925,101.25 68.925,96.15 69.475,95.6 71.4,95.6 71.4,92.164 70.975,90.95 70.575,90.95 70.575,90.05 70.45,89.925 69.95,89.925 69.7,90.175
GND (plane layer: these items are gaps in the copper):
  lines w0.127: 64.825,68.45 64.825,79.15 66,80.325 66,114 70.775,114 71,113.775 71.55,112.731 71.55,110.694 71,109.7 69.625,108.325 69.625,68.225 65.05,68.225 64.825,68.45 ; 100.125,87.925 100.125,88.1 100.55,88.525 102.925,88.525 103.65,89.25 104.45,89.25 106.025,87.675 106.025,85.4 105.875,85.25 104.6,85.25 104.2,85.65 104.2,86.775 103.55,87.425 100.625,87.425 100.125,87.925
PWR (plane layer: these items are gaps in the copper):
  lines w0.127: 110.7,86.7 112.081,88.081 112.7,88.7 112.7,92.1 109.025,95.775 101.463,95.775 100.888,95.2 100.888,88.881 100.707,88.7 98.1,88.7 95.7,86.3 95.7,83.2 96.4,82.5 97.5,82.5 98.6,83.6 98.6,86.7 102.4,86.7 104.7,84.4 104.7,77.3 100.9,73.5 77.6,73.5 77,74.1 77,70.7 77.6,70.1 105.1,70.1 110.7,75.7 110.7,86.7 ; 110.7,86.7 110.7,86.7 ; 73.725,85.475 73.75,85.5 76.675,85.5 76.625,85.55 76.625,86.625 76.575,86.575 73.725,86.575 73.725,85.475 ; 73.825,101.9 73.975,101.75 79.425,101.75 79.425,103.35 79.25,103.525 73.825,103.525 73.825,101.9

## Silkscreen, mask and mechanical layers (free items; w line width, h text height)
Top Overlay:
  text "PS_RESET" at 99.525,102.564 h1.52
  text "PS:|    +DEBUG+    | / PL:|TMS|TCK|TDO|TDI|" at 72.7,90.06 h1.52
  text "|      +BOOT+       | / |00:JTAG | 11:SDCard|" at 72.35,86.685 h1.52
  text "PL_DONE" at 106.649,79.222 h1.52
  text "ASTRONET" at 89.499,79.064 h3.05
  text "XC7Z020-2CLG484" at 89.451,77.741 h1.52
  text "Copyright (C) 2023 AlanCui4080 / .ModifiedDate .ModifiedTime .Track_Count            / Revision A." at 89.5,73.4 h1.52
  text "|PMOD |VGPPP| / |0 1 2|VGNNN|" at 84.159,68.86 h1.52
  text "All PMODs are in BANK33 (3.3V VCCO)" at 87.25,68.197 h1.52
  text "EXTHDR / L0P | L0N / L1P | L1N / ... / ... / +BANK+ / +   33   + / ... /  /  /  / ... / L7P | L7N" at 112.797,67.786 h1.52
  text "| L11 | L10 | L09 | L08 |" at 103.75,66.773 h1.52
  text "| L23 | L17 | L16 | L20 |" at 86.275,66.673 h1.52
  text "| L19 | L18 | L22 | L21 |" at 69,66.598 h1.52
Mechanical 1:
  circle w0.013: c120.906,62.806 r1.35
  circle w0.013: c62.906,111.806 r1.35
  circle w0.013: c62.906,62.806 r1.35
  circle w0.013: c120.906,111.806 r1.35
  lines w0.013: 59.406,62.306 ccw(c62.406,62.306) 62.406,59.306 141.406,59.306 ccw(c141.406,62.306) 144.406,62.306 144.406,112.306 ccw(c141.406,112.306) 141.406,115.306 62.406,115.306 ccw(c62.406,112.306) 59.406,112.306 59.406,62.306

## Text inside footprints (layer, text, board x,y; h text height)
P1: Top Overlay "15" at 119.83,66.05 h1.02 r270; Top Overlay "2" at 122.53,87.99 h1.02 r270; Top Overlay "1" at 119.83,87.69 h1.02 r270; Top Overlay "16" at 122.53,66.05 h1.02 r270
P2: Top Overlay "2" at 65.37,112.57 h1.02; Top Overlay "1" at 65.67,109.87 h1.02; Top Overlay "39" at 117.79,109.87 h1.02; Top Overlay "40" at 117.79,112.57 h1.02